# Altium PCB Brake Module PCB.PcbDoc (part 2 of 2)
Units mm, origin at the board's own origin, x right, y up, seen from the top; angles counter-clockwise.
Board outline 88.4 x 110.16 mm, 4 copper layers (Top Layer, Int1 (GND), Int2 (PWR), Bottom Layer), stack 1.369 mm thick; 148 components, 99 nets, 528 pads, 189 vias.
Unrouted connection lines stored in the file: 3.
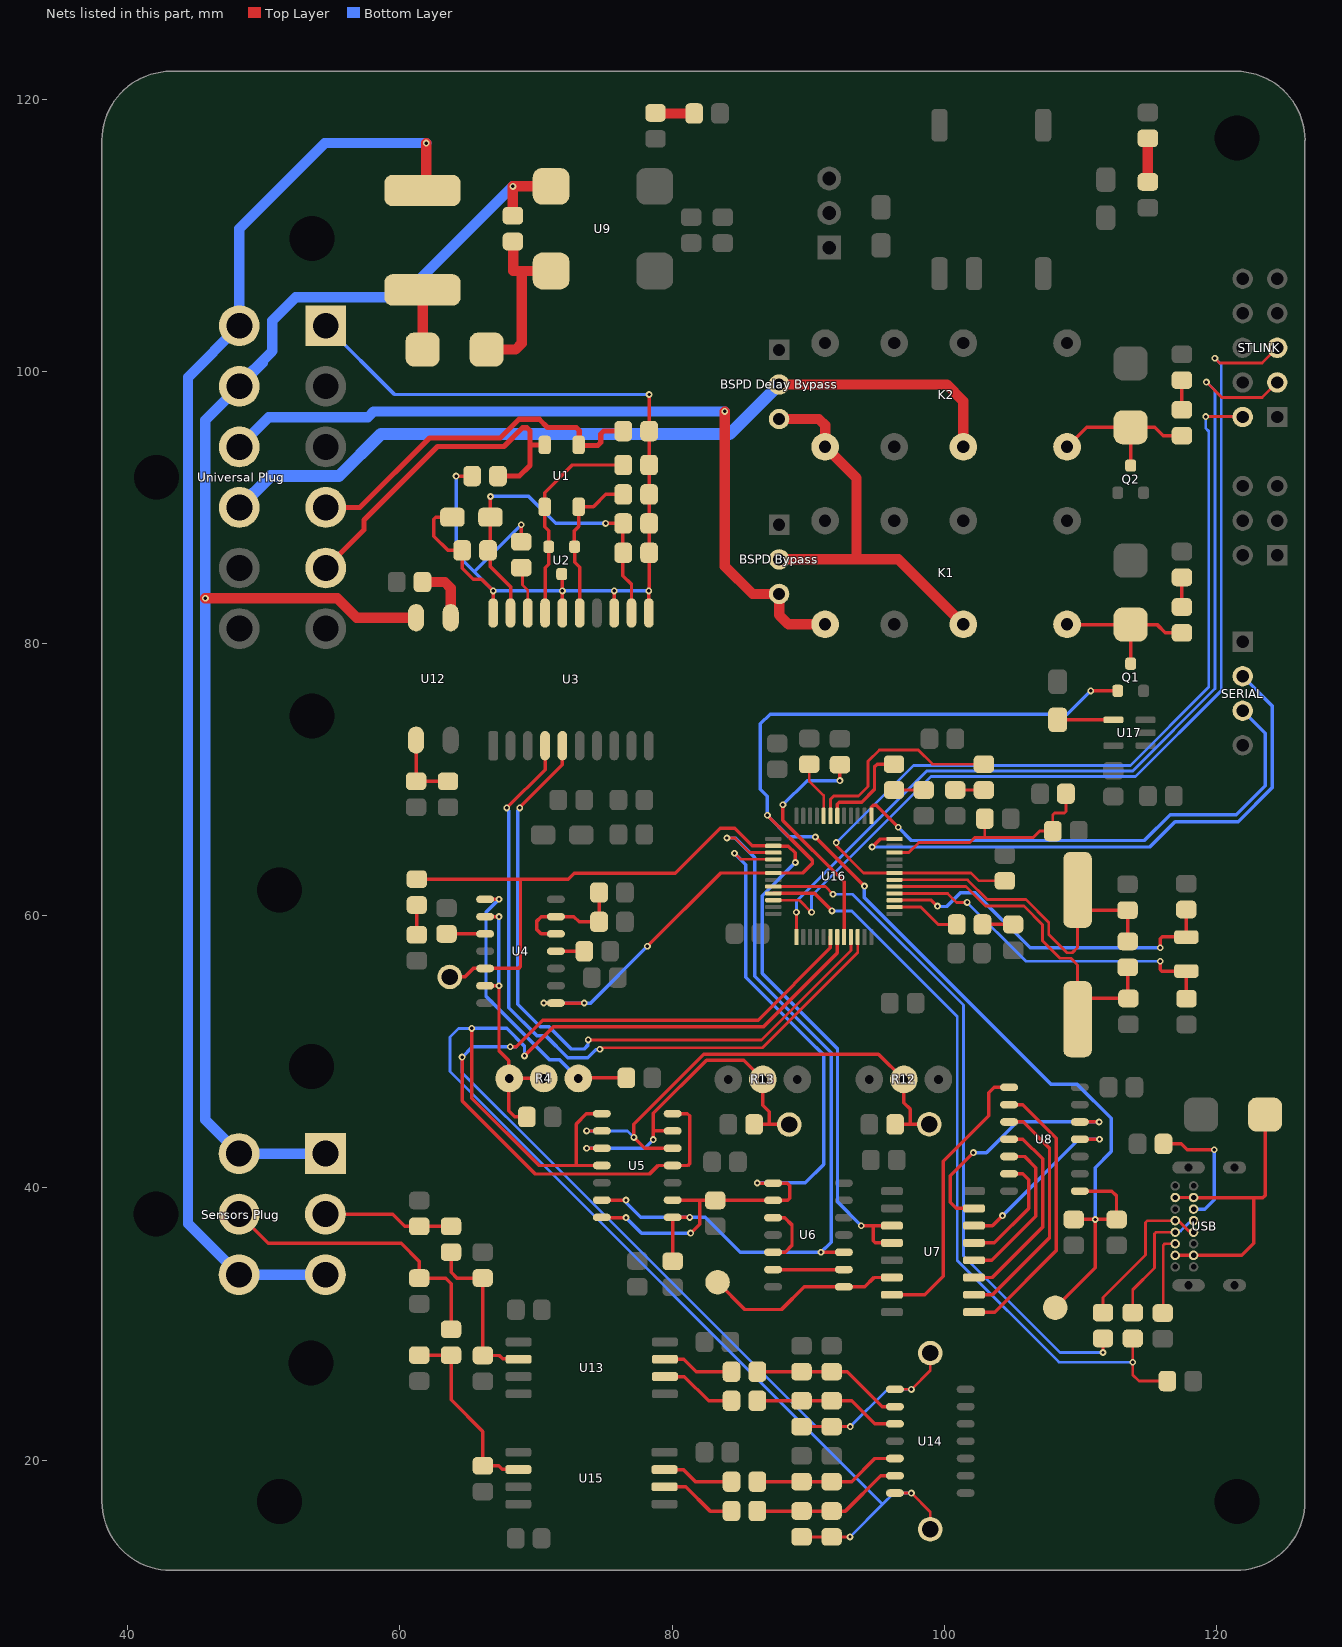
[diagram p4: the nets of this part, all layers, seen from the top]

## Via types
v1: diameter 0.5, hole 0.25, Top Layer to Bottom Layer, 188 vias
v2: diameter 0.5, hole 0.255, Top Layer to Bottom Layer, 1 vias

## Nets (pads, with @x,y where several pads share a name; then routed paths per layer and width w, separated by ;. In a path a pad name is that pad's centre, name@x,y a point inside that pad or via, vN(x,y) a via of type N, cw(c..) or ccw(c..) an arc to the next point about the centre after c; other vN are vias at no path point) (continued)
"BSPD OK": C21.2 P4.1 Q1.G R11.2 U4.8 U8.8 U16.30 | length 124.4
  Top Layer w0.254: v1(70.566,53.583) v1(73.542,53.583) ; v1(78.181,57.76) 83.559,63.138 87.633,63.138 89.604,63.138 90.314,63.848 90.314,64.058 86.995,67.377 v1(86.995,67.387) ; v1(90.526,65.787) 90.526,65.784 v1(94.131,62.179) ; P4.1@108.15,31.2 111.082,34.132 v1(111.082,37.681) ; C21.2@109.507,37.681 v1(111.082,37.681) ; U8.8@109.957,39.765 112.31,39.765 112.649,39.426 112.649,37.688 R11.2@112.656,37.681 v1(111.082,37.681) ; v1(110.76,76.521) Q1.G@112.74,76.521
  Bottom Layer w0.254: v1(70.566,53.583) 74.004,53.583 v1(78.181,57.76) ; v1(90.526,65.787) 88.585,65.787 86.995,67.377 v1(86.995,67.387) 86.995,68.784 86.487,69.292 86.487,74.092 87.195,74.8 109.039,74.8 v1(110.76,76.521) ; v1(94.131,62.179) 94.131,61.318 107.849,47.6 109.779,47.6 112.268,45.111 112.268,42.673 111.082,41.486 v1(111.082,37.681)
"CAN RX INDC": "CAN RX.A" U16.19 | length 15.5
  Top Layer w0.203: U16.19@91.633,67.338 91.633,68.558 91.875,68.8 93.691,68.8 94.386,69.496 94.386,71.349 95.221,72.184 98.081,72.184 99.127,71.138 102.906,71.138
"CAN TX INDC": "CAN TX.A" U16.18 | length 7.2
  Top Layer w0.254: U16.18@92.133,67.338 92.133,68.201 92.282,68.35 93.923,68.35 94.869,69.296 94.869,70.943 95.064,71.138 96.302,71.138
CANH: "Universal Plug.5" C3.2 U1.2 | length 26.1
  Top Layer w0.381: 54.545,85.55 57.35,88.355 57.35,89.075 62.751,94.476 67.636,94.476 69.011,95.851 69.327,95.851 69.55,95.628 69.55,94.593 ; C3.2@67.2,92.303 68.767,92.303 69.55,93.086 69.55,94.593 ; U1.2@70.632,94.593 69.55,94.593
CANL: "Universal Plug.4" C2.2 U1.1 | length 26.8
  Top Layer w0.381: 54.545,90 57.05,90 62.161,95.111 67.373,95.111 68.748,96.486 70.239,96.486 70.85,95.875 72.952,95.875 73.175,95.652 73.175,94.55 74.527,94.55 74.75,94.773 74.75,95.387 74.973,95.61 C2.2@76.405,95.61
CANS: "Universal Plug.1" C2.1 C3.1 C4.1 C5.1 C6.1 C7.1 C8.1 C9.1 R1.1 U2.3 U3.11 U3.13 U3.16 U3.20 | length 85.7
  Top Layer w0.254: C7.1@63.85,89.282 62.633,89.282 62.484,89.133 62.484,87.884 63.526,86.842 C6.1@64.57,86.842 64.57,85.544 65.38,84.734 65.987,84.734 v1(66.853,83.869) U3.20@66.853,82.245 ; v1(64.122,92.303) C3.1@65.3,92.303 ; R1.1@68.909,87.477 v1(68.909,88.725) ; U3.16@71.933,82.245 v1(71.933,83.869) U2.3@71.933,85.106 ; U3.13@75.743,82.245 v1(75.743,83.869) ; U3.11@78.283,82.246 v1(78.283,83.869) 78.305,83.891 C9.1@78.305,86.666 C8.1@78.305,88.825 C4.1@78.305,90.959 C5.1@78.305,93.118 C2.1@78.305,95.61 v1(78.305,98.298)
  Bottom Layer w0.254: 54.545,103.35 59.597,98.298 v1@78.232,98.298 ; v1(64.122,92.303) 64.122,86.6 65.453,85.269 ; v1(68.909,88.725) 65.453,85.269 ; v1(78.283,83.869) v1(75.743,83.869) v1(71.933,83.869) v1(66.853,83.869) 65.453,85.269
CLOCK: D1.A P2.1 U4.5 U7.11 U7.12 U16.26 | length 78.3
  Top Layer w0.254: D1.A@61.24,62.684 68.857,62.684 ; P2.1@63.652,55.499 64.766,55.499 65.39,56.123 U4.5@66.257,56.123 68.708,56.123 68.857,56.272 68.857,62.684 ; v1(89.052,63.907) 89.035,63.924 89.035,64.618 88.539,65.115 87.838,65.115 87.823,65.13 85.884,65.13 84.592,66.422 83.541,66.422 80.237,63.117 72.795,63.117 72.361,62.684 68.857,62.684 ; v1(93.892,37.225) 94.774,37.225 ; U7.12@96.146,35.955 94.923,35.955 94.774,36.104 94.774,37.225 ; U7.11@96.146,37.225 94.774,37.225
  Bottom Layer w0.254: v1(89.052,63.907) 86.614,61.469 86.614,55.754 92.15,50.218 92.15,38.967 v1(93.892,37.225)
GLV+: "Sensors Plug.3" "Sensors Plug.4" "Universal Plug.12" F1.1 | length 106.2
  Top Layer w0.762: F1.1@61.925,113.285 v1(61.925,116.775)
  Bottom Layer w0.762: 54.525,33.62 48.175,33.62 44.425,37.37 44.425,99.58 48.195,103.35 48.195,110.495 54.475,116.775 v1(61.925,116.775)
GLV-: "Sensors Plug.1" "Sensors Plug.6" "Universal Plug.11" C24.1 U9.4 U12.2 | length 116
  Top Layer w0.762: v1(45.7,83.325) 55.4,83.325 56.828,81.897 U12.2@61.183,81.897 ; C24.1@68.311,111.431 68.296,111.446 v1(68.296,113.594) U9.4@71.105,113.594
  Bottom Layer w0.762: 48.02,98.9 50.611,101.491 50.611,103.706 52.339,105.434 60.137,105.434 v1(68.296,113.594) ; 49.93,100.635 48.195,98.9 45.7,96.405 v1(45.7,83.325) 45.7,44.995 48.175,42.52 54.525,42.52
"Green Loop IN": "BSPD Bypass.3" "Universal Plug.10" K1.9 | length 58.2
  Top Layer w0.762: v1(83.871,97.053) 83.871,85.675 85.903,83.643 87.859,83.643 87.859,82.093 88.544,81.408 K1.9@91.237,81.408
  Bottom Layer w0.762: 48.195,94.45 50.37,96.625 57.65,96.625 58.078,97.053 v1(83.871,97.053)
"Green Loop OUT": "BSPD Delay Bypass.2" "Universal Plug.9" K2.13 | length 60.8
  Top Layer w0.762: 87.859,99.035 100.178,99.035 101.397,97.816 K2.13@101.397,94.455
  Bottom Layer w0.889: 48.195,90 50.495,92.3 55.5,92.3 58.602,95.402 84.226,95.402 87.859,99.035
"H REF": C22.2 P7.1 R12.2 U5.5 U5.9 | length 37.7
  Top Layer w0.203: v1(73.711,44.185) U5.9@74.835,44.185
  Top Layer w0.254: U5.5@80.035,42.915 77.989,42.915 v1(77.191,43.713) 77.191,44.69 82.332,49.832 95.162,49.832 R12.2@97.025,47.969 97.025,46.252 97.483,45.794 97.483,44.667 ; C22.2@96.385,44.667 97.483,44.667 ; 97.975,44.667 97.483,44.667 ; 97.975,44.679 P7.1@98.882,44.679
  Bottom Layer w0.203: v1(73.711,44.185) 76.719,44.185 v1(77.191,43.713)
"L REF": C23.2 P8.1 R13.2 U5.6 U5.10 | length 25.9
  Top Layer w0.254: v1(73.711,42.915) U5.10@74.835,42.915 ; v1@78.625,43.556 78.625,44.185 ; U5.6@80.035,44.185 78.625,44.185 ; C23.2@86.022,44.667 87.147,44.667 ; P8.1@88.595,44.654 88.582,44.667 87.147,44.667 ; 78.625,44.185 78.625,45.478 82.522,49.375 85.256,49.375 R13.2@86.662,47.969 86.662,46.079 87.147,45.594 87.147,44.667
  Bottom Layer w0.254: v1(73.711,42.915) 77.984,42.915 v1(78.615,43.546)
"NetBSPD Bypass_2": "BSPD Bypass.2" "BSPD Delay Bypass.3" K1.13 K2.9 | length 29.9
  Top Layer w0.762: 87.859,86.183 93.55,86.183 ; 87.859,96.495 90.79,96.495 91.237,96.049 K2.9@91.237,94.455 93.55,92.141 93.55,86.183 ; K1.13@101.397,81.408 96.622,86.183 93.55,86.183
NetC1_1: 
NetC4_2: C4.2 U1.4 U2.1 U3.15 | length 11.7
  Top Layer w0.254: U3.15@73.203,82.245 73.203,85.595 72.832,85.966 U2.1@72.832,87.106 72.822,87.116 72.822,88.29 73.132,88.601 U1.4@73.132,90.043 74.219,90.043 75.135,90.959 C4.2@76.405,90.959
NetC5_2: C5.2 U1.3 U2.2 U3.17 | length 15.7
  Top Layer w0.254: U3.17@70.663,82.245 70.663,85.57 70.932,85.839 U2.2@70.932,87.106 70.932,88.291 70.632,88.591 U1.3@70.632,90.043 70.632,91.079 72.671,93.118 C5.2@76.405,93.118
NetC6_2: C6.2 C7.2 C8.2 C9.2 U3.12 U3.19 | length 26.6
  Top Layer w0.254: v1(66.65,90.806) C7.2@66.65,89.282 66.65,85.653 68.123,84.18 U3.19@68.123,82.245 ; v1(75.108,88.825) 76.383,88.825 76.383,86.285 76.383,84.984 77.013,84.354 U3.12@77.013,82.245
  Bottom Layer w0.254: v1(66.65,90.806) 69.469,90.806 71.449,88.825 v1(75.108,88.825)
NetC15_2: C15.2 U4.3 | length 2.8
  Top Layer w0.254: C15.2@63.423,58.663 U4.3@66.257,58.663
NetC16_2: C16.2 U4.11 | length 2.1
  Top Layer w0.254: U4.11@71.457,57.393 C16.2@73.542,57.393
NetC17_2: C17.2 R3.1 U4.12 U4.13 | length 9.2
  Top Layer w0.254: U4.12@71.457,58.663 70.365,58.663 70.035,58.993 70.035,59.577 70.39,59.933 U4.13@71.457,59.933 72.783,59.933 73.166,59.55 C17.2@74.628,59.55 R3.1@74.628,61.707
NetC24_2: C24.2 D3.K U9.1 | length 13
  Top Layer w0.762: D3.K@66.36,101.601 68.489,101.601 68.936,102.047 68.936,107.374 ; C24.2@68.311,109.531 68.311,107.374 U9.1@71.105,107.374
NetC29_2: C29.2 C39.2 R28.2 U13.2 | length 12.4
  Top Layer w0.254: R28.2@63.753,35.276 63.753,33.808 64.185,33.376 C39.2@66.076,33.376 66.084,33.368 66.084,27.692 C29.2@66.092,27.684 67.286,27.684 67.537,27.434 68.692,27.434 U13.2@68.719,27.407
NetC32_2: C32.2 R21.2 R22.2 U14.2 | length 11.2
  Top Layer w0.254: R21.2@86.257,26.491 R22.2@89.509,26.491 C32.2@91.719,26.491 ; C32.2@91.719,26.491 92.862,26.492 95.428,23.927 U14.2@96.368,23.927
NetC33_1: C33.1 P6.1 R20.2 U5.4 U5.7 U14.1 U16.42 | length 113
  Top Layer w0.203: R20.2@89.509,22.459 C33.1@91.719,22.458 ; C33.1@91.719,22.458 v1(93.087,22.458) ; U14.1@96.368,25.197 v1(97.578,25.197) 98.968,26.587 P6.1@98.968,27.864
  Top Layer w0.254: v1(64.567,49.608) 64.567,46.383 69.929,41.021 78.337,41.021 78.961,41.645 U5.4@80.035,41.645 81.161,41.645 81.28,41.764 81.28,45.289 81.114,45.455 U5.7@80.035,45.455 ; v1(68.1,50.375) 68.536,50.375 70.493,52.332 86.317,52.332 91.625,57.64 U16.42@91.625,58.438
  Bottom Layer w0.203: v1(64.567,49.608) 64.567,48.463 71.095,41.935 90.572,22.458 v1(93.087,22.458) 95.826,25.197 v1(97.578,25.197)
  Bottom Layer w0.254: v1(64.567,49.608) 65.328,50.369 68.529,50.369
NetC33_2: C33.2 R19.2 R20.1 U14.3 | length 10.8
  Top Layer w0.254: R19.2@86.257,24.359 R20.1@89.509,24.359 ; R20.1@89.509,24.359 C33.2@91.719,24.358 ; C33.2@91.719,24.358 93.193,24.358 94.894,22.657 U14.3@96.368,22.657
NetC34_2: C34.2 C40.2 R30.2 U15.2 | length 14.1
  Top Layer w0.254: C40.2@61.418,27.704 R30.2@63.753,27.704 63.753,24.436 66.092,22.097 C34.2@66.092,19.582 67.261,19.582 67.511,19.331 68.667,19.331 U15.2@68.694,19.304
NetC37_2: C37.2 R25.2 R26.2 U14.5 | length 10.8
  Top Layer w0.254: R25.2@86.257,18.414 R26.2@89.509,18.414 93.192,18.414 94.894,20.117 U14.5@96.368,20.117
NetC38_1: C38.1 P10.1 R24.2 U5.8 U5.11 U14.7 U16.43 | length 117.6
  Top Layer w0.203: R24.2@89.509,14.355 C38.1@91.719,14.355 v1(93.07,14.355) ; U14.7@96.368,17.577 v1(97.578,17.577) 98.968,16.187 P10.1@98.968,14.91
  Top Layer w0.254: v1(65.278,51.716) 65.278,46.597 70.23,41.645 72.938,41.645 ; v1(69.15,49.7) 71.275,51.825 86.699,51.825 92.133,57.259 U16.43@92.133,58.438 ; U5.11@74.835,41.645 72.938,41.645 ; U5.8@74.835,45.455 73.699,45.455 72.938,44.693 72.938,41.645
  Bottom Layer w0.203: v1(65.278,51.716) 64.314,51.716 63.678,51.079 63.678,48.544 95.468,16.754 ; v1(93.07,14.355) 95.468,16.754 ; v1(97.578,17.577) 96.291,17.577 95.468,16.754
  Bottom Layer w0.254: v1(65.278,51.716) 67.834,51.716 69.15,50.4 v1(69.15,49.7)
NetC38_2: C38.2 R23.2 R24.1 U14.6 | length 11.4
  Top Layer w0.254: R23.2@86.257,16.255 R24.1@89.509,16.255 92.735,16.255 95.326,18.847 U14.6@96.546,18.847
NetC50_2: C50.2 U17.4 | length 4.1
  Top Layer w0.254: C50.2@108.33,74.392 U17.4@112.42,74.392
"NetCAN RX TP_1": U3.4 U16.46 | length 52
  Top Layer w0.203: v1(74.693,50.187) 74.773,50.187 74.886,50.3 86.647,50.3 93.634,57.287 U16.46@93.634,58.438
  Top Layer w0.254: v1(67.843,67.92) 70.663,70.739 U3.4@70.663,72.492
  Bottom Layer w0.254: v1(67.843,67.92) 67.843,67.887 68.007,67.724 68.007,53.237 70.049,51.195 70.69,51.195 72.314,49.571 73.789,49.571 74.383,50.164 74.67,50.164 v1(74.693,50.187)
"NetCAN RX_K": "CAN RX.K" R47.2 | length 2.1
  Top Layer w0.254: R47.2@100.799,69.238 102.906,69.238
"NetCAN TX TP_1": U3.5 U16.45 | length 50.4
  Top Layer w0.203: v1(73.838,50.875) 86.562,50.875 93.133,57.446 U16.45@93.133,58.438
  Top Layer w0.254: v1@68.806,67.967 71.933,71.095 U3.5@71.933,72.492
  Bottom Layer w0.254: v1(68.806,67.92) 68.806,67.887 68.642,67.724 68.642,53.5 70.312,51.83 70.953,51.83 72.577,50.206 73.526,50.206 73.817,50.497 73.817,50.854 v1(73.838,50.875)
"NetCAN TX_K": "CAN TX.K" R46.2 | length 2.2
  Top Layer w0.254: 96.302,69.238 R46.2@98.487,69.238
NetD1_K: D1.K R7.2 | length 2.2
  Top Layer w0.254: R7.2@61.24,58.596 D1.K@61.24,60.784
NetD2_K: D2.K R45.2 | length 2.1
  Top Layer w0.254: R45.2@102.803,59.358 D2.K@104.94,59.358
NetD3_A: D3.A F1.2 | length 4.4
  Top Layer w0.762: D3.A@61.66,101.601 F1.2@61.66,105.985
NetD4_K: D4.K R14.2 | length 2.8
  Top Layer w0.762: R14.2@78.776,118.95 D4.K@81.612,118.951
NetD5_K: D5.K R15.2 | length 3.2
  Top Layer w0.762: R15.2@114.955,113.918 D5.K@114.955,117.122
NetD6_A: D6.A K1.16 Q1.D R48.1 | length 11.6
  Top Layer w0.254: K1.16@109.017,81.395 D6.A@113.69,81.395 ; Q1.D@113.69,78.521 D6.A@113.69,81.395 ; R48.1@117.455,80.783 116.241,80.783 115.629,81.395 D6.A@113.69,81.395
NetD7_K: D7.K R48.2 | length 2.2
  Top Layer w0.254: R48.2@117.455,82.683 D7.K@117.455,84.857
NetD8_A: D8.A K2.16 Q2.D R49.1 | length 12.1
  Top Layer w0.254: K2.16@109.017,94.455 110.452,95.89 D8.A@113.69,95.89 ; Q2.D@113.69,93.076 D8.A@113.69,95.89 ; R49.1@117.455,95.278 116.076,95.278 115.464,95.89 D8.A@113.69,95.89
NetD9_K: D9.K R49.2 | length 2.2
  Top Layer w0.254: R49.2@117.455,97.177 D9.K@117.455,99.352
NetD10_A: D10.A USB.A4 USB.A9 USB.B4 USB.B9 | length 22.1
  Top Layer w0.254: USB.A4@116.963,35.043 USB.B9@118.313,35.043 121.861,35.043 122.745,35.928 122.745,39.281 ; USB.A9@116.963,39.293 USB.B4@118.313,39.293 118.325,39.281 122.745,39.281 ; D10.A@123.567,45.39 123.567,39.443 123.405,39.281 122.745,39.281
NetP5_1: P5.1 U6.8 U7.14 | length 14.6
  Top Layer w0.254: P5.1@83.337,33.071 85.344,31.064 88.036,31.064 89.702,32.729 94.146,32.729 94.832,33.415 U7.14@96.146,33.415
NetP9_1: R9.1 U5.2 U5.14 U6.1 U6.2 U16.28 | length 55.8
  Top Layer w0.203: v1(84.582,64.593) 85.021,64.154 U16.28@87.433,64.154
  Top Layer w0.254: U5.14@74.835,37.835 74.85,37.821 v1(76.606,37.821) ; U5.2@80.035,39.105 80.061,39.079 82.017,39.079 ; v1(81.356,36.678) 82.017,37.338 82.017,39.079 ; v1@86.258,40.349 U6.1@87.415,40.349 88.45,40.349 88.628,40.172 88.628,39.228 88.479,39.079 U6.2@87.415,39.079 R9.1@83.166,39.079 82.017,39.079
  Bottom Layer w0.254: v1(76.606,37.821) 77.749,36.678 v1(81.356,36.678) ; v1(84.582,64.593) 85.42,63.755 85.42,55.467 89.96,50.928 91.125,49.762 91.125,41.722 89.79,40.387 86.284,40.387 v1(86.258,40.361)
NetP11_1: R10.1 U5.1 U5.13 U6.10 U16.27 | length 62
  Top Layer w0.203: v1(84.023,65.71) 84.621,65.71 85.694,64.638 U16.27@87.433,64.638
  Top Layer w0.254: U5.13@74.835,39.105 v1@76.415,39.105 ; R10.1@80.035,34.608 U5.1@80.035,37.835 v1(81.287,37.835) ; v1(90.939,35.269) U6.10@92.615,35.269
  Bottom Layer w0.254: v1@76.415,39.105 76.511,39.009 77.685,37.835 v1(81.287,37.835) 82.44,37.835 85.006,35.269 v1(90.939,35.269) 91.675,36.005 91.675,49.931 86.055,55.55 86.055,64.276 84.621,65.71 v1(84.023,65.71)
  other v1: 76.606,39.105
NetR1_2: R1.2 U3.18 | length 3.3
  Top Layer w0.203: R1.2@68.994,85.385 68.994,84.295 69.393,83.896 U3.18@69.393,82.245
NetR2_1: R2.1 R4.3 U4.1 | length 21.3
  Top Layer w0.254: U4.1@66.257,61.203 v1(67.275,61.203) ; R4.3@73.066,48.083 73.067,48.081 R2.1@76.635,48.081
  Bottom Layer w0.254: v1(67.275,61.203) 66.319,60.247 66.319,54.081 71,49.4 71.749,49.4 R4.3@73.066,48.083
NetR16_1: R16.1 U12.1 | length 4.4
  Top Layer w0.762: R16.1@61.651,84.521 63.277,84.521 63.723,84.075 U12.1@63.723,81.897
NetR17_2: R17.2 R18.2 U12.3 | length 5.4
  Top Layer w0.254: U12.3@61.183,72.897 R17.2@61.183,69.881 61.187,69.877 63.523,69.877 R18.2@63.526,69.874
NetR19_1: R19.1 U13.6 | length 5.6
  Top Layer w0.254: U13.6@79.464,26.137 80.899,26.137 82.678,24.358 R19.1@84.357,24.358
NetR21_1: R21.1 U13.7 | length 5.3
  Top Layer w0.254: U13.7@79.464,27.407 80.848,27.407 81.763,26.491 R21.1@84.357,26.491
NetR23_1: R23.1 U15.6 | length 5.7
  Top Layer w0.254: U15.6@79.439,18.034 81.001,18.034 82.779,16.255 R23.1@84.357,16.255
NetR25_1: R25.1 U15.7 | length 5.3
  Top Layer w0.254: U15.7@79.439,19.304 80.823,19.304 81.713,18.414 R25.1@84.357,18.414
NetR34_1: R34.1 USB.A6 USB.B6 | length 9.7
  Top Layer w0.203: R34.1@113.842,30.833 113.842,32.512 115.443,34.113 115.443,36.624 115.562,36.743 USB.A6@116.963,36.743
  Bottom Layer w0.203: USB.A6@116.963,36.743 117.059,36.838 117.363,36.838 117.956,37.431 118.017,37.431 118.179,37.593 USB.B6@118.313,37.593
NetR35_1: R35.1 USB.A7 USB.B7 | length 11.9
  Top Layer w0.203: R35.1@111.658,30.833 111.658,31.954 114.783,35.078 114.783,37.445 114.931,37.593 116.963,37.593 117.059,37.497 117.296,37.497 117.956,36.838 118.218,36.838 USB.B7@118.313,36.743
NetR36_1: R36.1 USB.A5 | length 5.9
  Top Layer w0.203: R36.1@116.077,30.804 116.077,35.773 116.196,35.893 USB.A5@116.963,35.893
NetR37_1: R37.1 USB.B5 | length 9.4
  Top Layer w0.254: R37.1@116.1,43.232 117.416,43.232 117.849,42.8 v1(119.837,42.8)
  Bottom Layer w0.254: USB.B5@118.313,38.443 119.143,38.443 119.837,39.137 v1(119.837,42.8)
NetR39_2: R39.2 U16.44 | length 17.7
  Top Layer w0.254: v1(88.138,68.149) 88.138,66.996 92.633,62.501 U16.44@92.633,58.438 ; v1(92.329,69.927) R39.2@92.329,71.099
  Bottom Layer w0.254: v1(88.138,68.149) 89.916,69.927 v1(92.329,69.927)
NetR40_1: R40.1 U16.20 | length 4.3
  Top Layer w0.203: R40.1@90.069,71.251 R40.1@90.069,71.124 90.069,69.901 91.123,68.847 ; U16.20@91.133,67.338 91.133,68.847
NetU6_3: U6.3 U6.5 | length 4.7
  Top Layer w0.254: U6.5@87.415,35.269 88.297,35.269 88.805,35.777 88.805,37.276 88.272,37.809 U6.3@87.415,37.809
NetU6_6: U6.6 U6.9 | length 5.2
  Top Layer w0.254: U6.6@87.415,33.999 U6.9@92.615,33.999
NetU7_1: U7.1 U8.2 | length 20.7
  Top Layer w0.254: U7.1@102.176,30.875 103.715,30.875 108.236,35.396 108.236,43.651 105.773,46.115 U8.2@104.757,46.115
NetU7_2: U7.2 U8.3 | length 17.6
  Top Layer w0.254: U7.2@102.176,32.145 103.537,32.145 107.728,36.336 107.728,42.908 105.791,44.845 U8.3@104.757,44.845
NetU7_3: U7.3 U8.4 | length 14.6
  Top Layer w0.254: U7.3@102.176,33.415 103.512,33.415 107.22,37.124 107.22,42.127 105.773,43.575 U8.4@104.757,43.575
NetU7_4: U7.4 U8.5 | length 11.7
  Top Layer w0.254: U7.4@102.176,34.685 103.487,34.685 106.712,37.911 106.712,41.492 105.9,42.305 U8.5@104.757,42.305
NetU7_5: U7.5 U8.6 | length 8.8
  Top Layer w0.254: U7.5@102.176,35.955 103.672,35.955 106.204,38.488 106.204,40.603 105.773,41.035 U8.6@104.757,41.035
NetU7_6: U7.6 U8.11 | length 13.3
  Top Layer w0.254: U7.6@102.176,37.225 103.537,37.225 v1(104.274,37.962) ; U8.11@109.957,43.575 v1(111.4,43.575)
  Bottom Layer w0.254: v1(104.274,37.962) 109.887,43.575 v1(111.4,43.575)
NetU7_7: U7.7 U8.12 | length 17.9
  Top Layer w0.254: v1(102.133,42.596) 100.432,40.895 100.432,38.939 100.875,38.495 U7.7@102.176,38.495 ; U8.12@109.957,44.845 v1(111.37,44.845)
  Bottom Layer w0.254: v1(102.133,42.596) 103.099,42.596 105.347,44.845 v1(111.37,44.845)
NetU7_15: U7.15 U8.1 | length 20.9
  Top Layer w0.254: U7.15@96.146,32.145 98.559,32.145 99.931,33.517 99.931,41.943 103.276,45.289 103.276,46.991 103.671,47.385 U8.1@104.757,47.385
NRST: R38.1 STLINK.2 U16.7 | length 68.5
  Top Layer w0.203: v1(92.059,65.373) 92.059,65.149 94.07,63.138 96.133,63.138 101.962,63.138 102.537,62.563 R38.1@104.446,62.563 ; v1(119.202,96.673) 121.895,96.673 STLINK.2@121.92,96.648
  Bottom Layer w0.203: v1(92.059,65.373) 92.064,65.373 97.735,71.044 113.666,71.044 119.431,76.81 119.431,95.601 119.202,95.829 v1(119.202,96.673)
PC13: R45.1 U16.2 | length 5.1
  Top Layer w0.203: U16.2@96.333,60.646 98.268,60.646 99.556,59.358 R45.1@100.903,59.358
"PCB TEMP": C53.2 R43.1 R44.2 U16.10 | length 17.3
  Top Layer w0.203: U16.10@96.333,64.638 97.383,64.638 98.125,65.38 101.879,65.38 102.237,65.737 102.973,65.737 ; R44.2@102.973,67.133 102.973,65.737 ; R43.1@108.936,68.961 108.936,67.658 108.816,67.539 108.089,67.539 107.97,67.42 C53.2@107.97,66.219 107.011,66.219 106.529,65.737 102.973,65.737
"Sensor 1 In": "Sensors Plug.2" R27.2 R28.1 | length 9.6
  Top Layer w0.254: 54.525,38.07 59.466,38.07 60.36,37.176 R27.2@61.416,37.176 R28.1@63.753,37.176
"Sensor 2 In": "Sensors Plug.5" R29.2 R30.1 | length 21.8
  Top Layer w0.254: 48.175,38.07 50.327,35.919 60.093,35.919 61.418,34.594 R29.2@61.418,33.374 63.349,33.374 63.753,32.97 R30.1@63.753,29.604
SWCLK: STLINK.3 U16.37 | length 68.8
  Top Layer w0.203: U16.37@89.133,58.438 v1(89.133,60.249) ; v1(119.253,99.213) 120.384,98.082 123.354,98.082 STLINK.3@124.46,99.188
  Bottom Layer w0.203: v1(89.133,60.249) 89.128,60.254 89.128,61.062 98.704,70.637 113.843,70.637 119.888,76.683 119.888,98.578 v1(119.253,99.213)
SWDIO: STLINK.5 U16.34 | length 70.5
  Top Layer w0.203: U16.34@87.433,61.138 89.358,61.138 v1(90.247,60.249) ; v1(119.88,100.96) 120.218,100.622 123.354,100.622 STLINK.5@124.46,101.728
  Bottom Layer w0.203: v1(90.247,60.249) 90.247,61.462 99.016,70.231 114.046,70.231 120.345,76.53 120.345,100.495 v1(119.88,100.96)
Trig/Thres: C14.2 R4.1 R4.2 U4.2 U4.6 | length 20.7
  Top Layer w0.254: U4.6@66.257,54.853 v1(67.275,54.853) 67.275,50.073 67.986,49.362 67.986,48.083 67.986,45.654 68.427,45.213 C14.2@69.318,45.213 ; U4.2@66.257,59.933 v1(67.275,59.933) ; R4.1@68.024,48.041 R4.2@70.564,48.041
  Bottom Layer w0.254: v1@67.25,54.831 v1@67.25,59.933
UARTRX: SERIAL.3 U16.13 | length 38.6
  Top Layer w0.254: U16.13@94.633,67.338 94.633,67.966 94.782,68.114 94.992,68.114 v1(96.609,66.497)
  Bottom Layer w0.254: v1(96.609,66.497) 97.581,65.525 114.699,65.525 116.586,67.412 121.437,67.412 123.571,69.545 123.571,73.407 SERIAL.3@121.92,75.058
UARTTX: SERIAL.2 U16.12 | length 42
  Top Layer w0.254: v1(94.691,65.05) 95.279,65.638 U16.12@96.133,65.638
  Bottom Layer w0.254: v1(94.691,65.05) 115.096,65.05 116.95,66.904 121.59,66.904 124.079,69.393 124.079,75.439 SERIAL.2@121.92,77.598
USBDM: R35.2 U16.32 | length 50
  Top Layer w0.203: U16.32@87.433,62.138 91.253,62.138 v1(91.821,61.57) ; v1(111.658,27.904) R35.2@111.658,28.933
  Bottom Layer w0.203: v1@92.024,61.57 93.269,61.57 101.4,53.439 101.4,34.998 108.494,27.904 v1(111.658,27.904)
USBDP: R32.1 R34.2 U16.33 | length 56.6
  Top Layer w0.203: R34.2@113.842,28.933 v1(113.842,27.193) 113.842,26.264 114.301,25.806 R32.1@116.386,25.806
  Top Layer w0.254: U16.33@87.433,61.638 90.458,61.638 v1(91.745,60.351)
  Bottom Layer w0.203: v1(91.745,60.351) 93.197,60.351 100.95,52.598 100.95,34.661 108.419,27.193 v1(113.842,27.193)
XTALA: C45.2 R31.1 U16.5 X1.1 | length 25
  Top Layer w0.203: U16.5@96.333,62.138 101.6,62.138 103.032,60.706 105.842,60.706 107.213,59.334 107.213,58.162 108.505,56.87 109.296,56.87 109.79,56.377 X1.1@109.79,53.899
  Top Layer w0.254: X1.1@109.79,53.899 109.811,53.92 C45.2@113.474,53.92 ; R31.1@113.474,56.211 C45.2@113.474,53.92 ; C45.2@113.524,53.92 C45.2@113.474,53.92
XTALB: C46.2 R31.2 U16.6 X1.2 | length 25.1
  Top Layer w0.203: U16.6@96.333,62.638 101.7,62.638 103.149,61.189 105.994,61.189 107.671,59.512 107.671,58.629 109.023,57.277 109.398,57.277 109.79,57.669 X1.2@109.79,60.452
  Top Layer w0.254: X1.2@109.79,60.452 109.836,60.406 C46.2@113.462,60.406 ; R31.2@113.474,58.111 C46.2@113.474,60.406
XTALC: C47.2 U16.3 X2.1 | length 26.5
  Top Layer w0.203: U16.3@96.333,61.154 99.049,61.154
  Top Layer w0.254: 99.049,61.128 99.474,60.703 v1(99.499,60.703) ; v1(115.864,57.641) 115.864,58.305 116.013,58.454 117.757,58.454 X2.1@117.78,58.431 C47.2@117.78,60.459
  Bottom Layer w0.254: v1(99.499,60.703) 99.525,60.678 100.163,60.678 101.157,61.671 102.286,61.671 106.324,57.633 115.856,57.633 v1(115.864,57.641)
XTALD: C48.2 U16.4 X2.2 | length 26.2
  Top Layer w0.203: U16.4@96.333,61.638 100.243,61.638 100.903,60.977 v1(101.669,60.977)
  Top Layer w0.254: v1(115.864,56.65) 115.864,56.05 115.983,55.931 X2.2@117.78,55.931 C48.2@117.78,53.904
  Bottom Layer w0.203: v1(101.669,60.977) 105.997,56.65 v1(115.864,56.65)
pads on no net: "BSPD Bypass.1" "BSPD Delay Bypass.1" "Sensors Plug.0" "Universal Plug.0" "Universal Plug.2" "Universal Plug.3" "Universal Plug.6" "Universal Plug.7" K1.4 K1.6 K1.8 K1.11 K2.4 K2.6 K2.8 K2.11 STLINK.4 STLINK.6 STLINK.9 STLINK.10 U3.2 U3.14 U6.11 U6.12 U6.13 U7.9 U8.9 U8.10 U8.13 U11.8 U14.8 U14.9 U14.10 U14.12 U14.13 U14.14 U16.11 U16.14 U16.15 U16.16 U16.17 U16.21 U16.22 U16.31 U16.38 U16.39 U16.40 U16.41 USB.A8 USB.B8 USB.P2 USB.P3 USB.P4

## Polygon pours and split planes (outlines as drawn)
"0V (ISO)" on Top Layer "NONET_L01_P021" (solid, shelved, pour order 21): 75.95,11.696 75.95,33.427 75.765,33.999 60.109,49.75 60.109,75.338 106.65,75.475 106.65,121.825 106.65,122.075 121.397,122.072 122.366,121.959 123.081,121.769 124.399,121.084 125.13,120.518 126.125,119.081 126.479,117.453 126.479,16.863 126.125,15.07 125.13,13.505 123.76,12.359 122.174,11.95 121.463,11.891
0V on Top Layer "NONET_L01_P019" (solid, shelved, pour order 19): 72.096,11.844 72.07,11.871 72.07,32.163 56.22,48.013 56.22,77.634 56.614,78.492 57.539,79.154 102.771,79.255 102.771,121.869 43.421,121.769 42.721,121.744 42.146,121.669 41.321,121.419 40.496,120.994 39.896,120.544 39.146,119.744 38.921,119.394 38.496,118.519 38.296,117.744 38.196,117.044 38.196,16.937 38.18,16.683 38.371,15.519 38.546,14.994 38.796,14.444 39.071,13.994 39.371,13.619 39.621,13.319 40.146,12.869 40.734,12.482 41.971,11.994 42.821,11.869 43.321,11.869
no net on Top Layer "NONET_L01_P000" (solid, shelved, pour order 0): 289.179,0.127
"0V (ISO)" on Bottom Layer "NONET_L04_P025" (solid, shelved, pour order 25): 75.95,11.696 75.95,33.427 75.765,33.999 60.109,49.75 60.109,75.338 106.65,75.475 106.65,121.825 106.65,122.075 121.397,122.072 122.366,121.959 123.081,121.769 124.399,121.084 125.13,120.518 126.125,119.081 126.479,117.453 126.479,16.863 126.125,15.07 125.13,13.505 123.76,12.359 122.174,11.95 121.463,11.891
0V on Bottom Layer "NONET_L04_P006" (solid, shelved, pour order 6): 72.125,12 72.099,12.026 72.099,32.319 56.249,48.169 56.249,77.79 56.642,78.647 57.567,79.31 102.8,79.41 102.8,122.025 43.45,121.925 42.75,121.9 42.175,121.825 41.35,121.575 40.525,121.15 39.925,120.7 39.175,119.9 38.95,119.55 38.525,118.675 38.325,117.9 38.225,117.2 38.225,17.092 38.209,16.839 38.4,15.675 38.575,15.15 38.825,14.6 39.1,14.15 39.4,13.775 39.65,13.475 40.175,13.025 40.763,12.638 42,12.15 42.85,12.025 43.35,12.025
0V on Int1 (GND) (split plane): 102.782,79.311 58.191,79.311 58.001,79.302 57.812,79.274 57.628,79.228 57.448,79.163 57.276,79.082 57.112,78.984 56.959,78.87 56.818,78.742 56.69,78.601 56.576,78.448 56.478,78.285 56.397,78.112 56.333,77.933 56.286,77.748 56.258,77.559 56.249,77.369 56.249,48.92 56.258,48.739 56.258,48.73 56.286,48.541 56.333,48.357 56.397,48.177 56.478,48.005 56.576,47.841 56.69,47.688 56.818,47.547 72.099,32.266 72.099,12.398 43.18,12.398 43.162,12.396 42.881,12.405 42.583,12.434 42.288,12.483 41.997,12.551 41.71,12.638 41.43,12.743 41.158,12.867 40.894,13.008 40.64,13.166 40.397,13.34 40.166,13.53 39.947,13.734 39.743,13.953 39.553,14.184 39.379,14.427 39.221,14.681 39.08,14.945 38.956,15.218 38.851,15.498 38.764,15.784 38.696,16.075 38.647,16.37 38.618,16.668 38.609,16.949 38.61,16.967 38.61,116.967 38.609,116.985 38.618,117.266 38.647,117.564 38.696,117.859 38.764,118.151 38.851,118.437 38.956,118.717 39.08,118.989 39.221,119.253 39.379,119.507 39.553,119.751 39.743,119.982 39.947,120.2 40.166,120.405 40.397,120.594 40.64,120.769 40.894,120.927 41.158,121.068 41.43,121.191 41.71,121.297 41.997,121.383 42.288,121.451 42.583,121.5 42.881,121.529 43.162,121.539 43.18,121.537 43.183,121.537 102.782,121.539
"0V (ISO)" on Int1 (GND) (split plane): 121.422,121.537 121.422,121.539 121.452,121.538 121.455,121.538 121.721,121.529 122.019,121.5 122.314,121.451 122.606,121.383 122.892,121.297 123.172,121.191 123.444,121.068 123.708,120.927 123.962,120.769 124.205,120.594 124.437,120.405 124.655,120.2 124.86,119.982 125.049,119.751 125.224,119.507 125.382,119.253 125.523,118.989 125.646,118.717 125.751,118.437 125.838,118.151 125.906,117.859 125.955,117.564 125.984,117.266 125.991,117.063 125.982,116.967 125.982,16.967 125.983,16.949 125.974,16.668 125.945,16.37 125.896,16.075 125.828,15.784 125.741,15.498 125.636,15.218 125.512,14.945 125.371,14.681 125.213,14.427 125.039,14.184 124.849,13.953 124.645,13.734 124.426,13.53 124.195,13.34 123.952,13.166 123.698,13.008 123.434,12.867 123.162,12.743 122.882,12.638 122.595,12.551 122.304,12.483 122.009,12.434 121.711,12.405 121.43,12.396 121.412,12.398 75.983,12.398 75.983,33.071 75.974,33.252 75.974,33.261 75.946,33.45 75.9,33.635 75.835,33.814 75.754,33.986 75.695,34.084 75.656,34.15 75.542,34.303 75.53,34.316 75.414,34.444 60.134,49.725 60.134,75.427 104.724,75.427 104.915,75.436 105.103,75.464 105.288,75.51 105.467,75.574 105.64,75.656 105.803,75.754 105.956,75.867 106.098,75.995 106.226,76.137 106.339,76.29 106.437,76.453 106.519,76.626 106.583,76.805 106.629,76.99 106.657,77.179 106.667,77.369 106.667,121.539 121.395,121.54
5V on Int2 (PWR) (split plane): 102.782,79.311 58.191,79.311 58.001,79.302 57.812,79.274 57.628,79.228 57.448,79.163 57.276,79.082 57.112,78.984 56.959,78.87 56.818,78.742 56.69,78.601 56.576,78.448 56.478,78.285 56.397,78.112 56.333,77.933 56.286,77.748 56.258,77.559 56.249,77.369 56.249,48.92 56.258,48.73 56.286,48.541 56.333,48.357 56.397,48.177 56.478,48.005 56.576,47.841 56.69,47.688 56.818,47.547 72.099,32.266 72.099,12.398 43.18,12.398 43.162,12.396 42.881,12.405 42.583,12.434 42.288,12.483 41.997,12.551 41.71,12.638 41.43,12.743 41.158,12.867 40.894,13.008 40.64,13.166 40.397,13.34 40.166,13.53 39.947,13.734 39.743,13.953 39.553,14.184 39.379,14.427 39.221,14.681 39.08,14.945 38.956,15.218 38.851,15.498 38.764,15.784 38.696,16.075 38.647,16.37 38.618,16.668 38.609,16.949 38.61,16.967 38.61,116.967 38.609,116.985 38.618,117.266 38.647,117.564 38.696,117.859 38.764,118.151 38.851,118.437 38.956,118.717 39.08,118.989 39.221,119.253 39.379,119.507 39.553,119.751 39.743,119.982 39.947,120.2 40.166,120.405 40.397,120.594 40.64,120.769 40.894,120.927 41.158,121.068 41.43,121.191 41.71,121.297 41.997,121.383 42.288,121.451 42.583,121.5 42.881,121.529 43.162,121.539 43.18,121.537 43.183,121.537 102.782,121.539
"5V (ISO)" on Int2 (PWR) (split plane): 121.422,121.537 121.422,121.539 121.452,121.538 121.455,121.538 121.721,121.529 122.019,121.5 122.314,121.451 122.606,121.383 122.892,121.297 123.172,121.191 123.444,121.068 123.708,120.927 123.962,120.769 124.205,120.594 124.437,120.405 124.655,120.2 124.86,119.982 125.049,119.751 125.224,119.507 125.382,119.253 125.523,118.989 125.646,118.717 125.751,118.437 125.838,118.151 125.906,117.859 125.955,117.564 125.984,117.266 125.991,117.063 125.982,116.967 125.982,16.967 125.983,16.949 125.974,16.668 125.945,16.37 125.896,16.075 125.828,15.784 125.741,15.498 125.636,15.218 125.512,14.945 125.371,14.681 125.213,14.427 125.039,14.184 124.849,13.953 124.645,13.734 124.426,13.53 124.195,13.34 123.952,13.166 123.698,13.008 123.434,12.867 123.162,12.743 122.882,12.638 122.595,12.551 122.304,12.483 122.009,12.434 121.711,12.405 121.43,12.396 121.412,12.398 75.983,12.398 75.983,33.071 75.974,33.252 75.974,33.261 75.946,33.45 75.9,33.635 75.835,33.814 75.754,33.986 75.695,34.084 75.656,34.15 75.542,34.303 75.53,34.316 75.414,34.444 60.134,49.725 60.134,75.427 81.921,75.427 81.921,51.588 81.93,51.49 81.959,51.396 82.005,51.309 82.068,51.233 82.144,51.17 82.231,51.124 82.325,51.095 82.423,51.086 106.164,51.086 106.262,51.095 106.356,51.124 106.443,51.17 106.519,51.233 106.582,51.309 106.628,51.396 106.657,51.49 106.667,51.588 106.667,77.673 106.667,77.674 106.667,121.539 121.395,121.54
"3.3V (ISO)" on Int2 (PWR) (split plane): 105.662,52.09 82.925,52.09 82.925,75.427 104.724,75.427 104.915,75.436 105.103,75.464 105.288,75.51 105.467,75.574 105.64,75.656 105.662,75.669

## Other copper
Top Layer:
  pour cut-out: 121.025,113.125 120.45,113.25 119.75,113.525 118.975,114 118.137,114.837 117.7,115.625 117.425,116.825 117.425,117.5 117.55,118.325 118.062,119.613 118.725,120.275 119.425,120.8 120.375,121.2 121.775,121.35 122.775,121.175 123.475,120.9 124.55,120.075 125,119.5 125.45,118.6 125.65,117.65 125.675,116.975 125.55,116.275 125.225,115.375 124.225,114.125 123.55,113.625 122.6,113.225 121.828,113.097
  pour cut-out: 121,12.85 120.425,12.975 119.725,13.25 118.95,13.725 118.112,14.562 117.675,15.35 117.4,16.55 117.4,17.225 117.525,18.05 118.037,19.338 118.7,20 119.4,20.525 120.35,20.925 121.75,21.075 122.75,20.9 123.45,20.625 124.525,19.8 124.975,19.225 125.425,18.325 125.625,17.375 125.65,16.7 125.525,16 125.2,15.1 124.2,13.85 123.525,13.35 122.575,12.95 121.803,12.822
  region: 68.694,20.574
  region net NetC5_2: 70.612,89.893
  region: 96.133,61.138
Bottom Layer:
  pour cut-out: 50.612,65.757 52.455,65.519 53.805,64.769 54.392,64.082 54.855,63.541 55.067,62.907 55.242,61.482 54.905,60.069 54.292,59.057 53.692,58.382 52.017,57.557 50.78,57.444 49.367,57.832 48.117,58.744 47.517,59.619 47.08,60.669 47.08,62.619 47.63,63.869 49.08,65.219
  pour cut-out: 120.8,113.075 120.225,113.2 119.525,113.475 118.75,113.95 117.912,114.787 117.475,115.575 117.2,116.775 117.2,117.45 117.325,118.275 117.837,119.563 118.5,120.225 119.2,120.75 120.15,121.15 121.55,121.3 122.55,121.125 123.25,120.85 124.325,120.025 124.775,119.45 125.225,118.55 125.425,117.6 125.45,116.925 125.325,116.225 125,115.325 124,114.075 123.325,113.575 122.375,113.175 121.603,113.047
  pour cut-out: 120.775,12.8 120.2,12.925 119.5,13.2 118.725,13.675 117.887,14.512 117.45,15.3 117.175,16.5 117.175,17.175 117.3,18 117.812,19.288 118.475,19.95 119.175,20.475 120.125,20.875 121.525,21.025 122.525,20.85 123.225,20.575 124.3,19.75 124.75,19.175 125.2,18.275 125.4,17.325 125.425,16.65 125.3,15.95 124.975,15.05 123.975,13.8 123.3,13.3 122.35,12.9 121.578,12.772
  pour cut-out: 50.629,20.957 52.471,20.719 53.821,19.969 54.409,19.282 54.871,18.741 55.084,18.107 55.259,16.682 54.921,15.269 54.309,14.257 53.709,13.582 52.034,12.757 50.796,12.644 49.384,13.032 48.134,13.944 47.534,14.819 47.096,15.869 47.096,17.819 47.646,19.069 49.096,20.419
  pour cut-out: 50.612,65.913 52.455,65.675 53.805,64.925 54.392,64.238 54.855,63.696 55.067,63.063 55.242,61.638 54.905,60.225 54.292,59.213 53.692,58.538 52.017,57.713 50.78,57.6 49.367,57.988 48.117,58.9 47.517,59.775 47.08,60.825 47.08,62.775 47.63,64.025 49.08,65.375
  pour cut-out: 53.95,13.975
  pour cut-out: 50.657,21.113 52.5,20.875 53.85,20.125 54.438,19.438 54.9,18.896 55.113,18.263 55.288,16.838 54.95,15.425 54.338,14.413 53.738,13.738 52.063,12.913 50.825,12.8 49.412,13.187 48.163,14.1 47.563,14.975 47.125,16.025 47.125,17.975 47.675,19.225 49.125,20.575
  region net NRST: 102.794,66.853
Int1 (GND) (plane layer: these items are gaps in the copper):
  lines w3.88: 74.041,10.16 74.041,33.071 58.191,48.92 58.191,77.369 104.724,77.369 104.724,123.318
Int2 (PWR) (plane layer: these items are gaps in the copper):
  lines w1: 82.423,77.394 82.423,51.588 106.164,51.588 106.164,77.673
  lines w3.88: 74.041,10.16 74.041,33.071 58.191,48.92 58.191,77.369 104.724,77.369 104.724,123.318

## Silkscreen, mask and mechanical layers (free items; w line width, h text height)
Top Overlay:
  circle w2.5: c121.5,16.967 r2.9
  circle w2.5: c51.161,61.85 r2.9
  circle w2.5: c51.161,16.967 r2.9
  circle w2.5: c121.5,117.15 r2.9
  lines w0.254: 121.422,122.047 cw(c121.422,116.967) 126.502,116.967 ; 121.422,122.05 43.18,122.048 ccw(c43.18,116.967) 38.1,116.967 38.1,16.967 ccw(c43.18,16.967) 43.18,11.887 121.412,11.887 ccw(c121.412,16.967) 126.492,16.967 126.492,116.967
  lines w1: 82.423,77.369 82.423,51.588 106.164,51.588 106.164,77.673
  lines w3.88: 74.041,10.16 74.041,33.071 58.191,48.92 58.191,77.369 104.724,77.369 104.724,123.318
  text "BSPD" at 106.38,28.391 h1.52
Bottom Overlay:
  circle w2.5: c121.5,117.15 r2.9
  circle w2.5: c51.161,61.795 r2.9
  circle w2.5: c51.161,16.967 r2.9
  circle w2.5: c121.5,16.967 r2.9
  lines w1: 82.423,77.369 82.423,51.588 106.164,51.588 106.164,77.673
  lines w3.88: 74.041,10.16 74.041,33.071 58.191,48.92 58.191,77.369 104.724,77.369 104.724,123.241